# Altium PCB bg_pcb.PcbDoc (part 2 of 2) (continued)
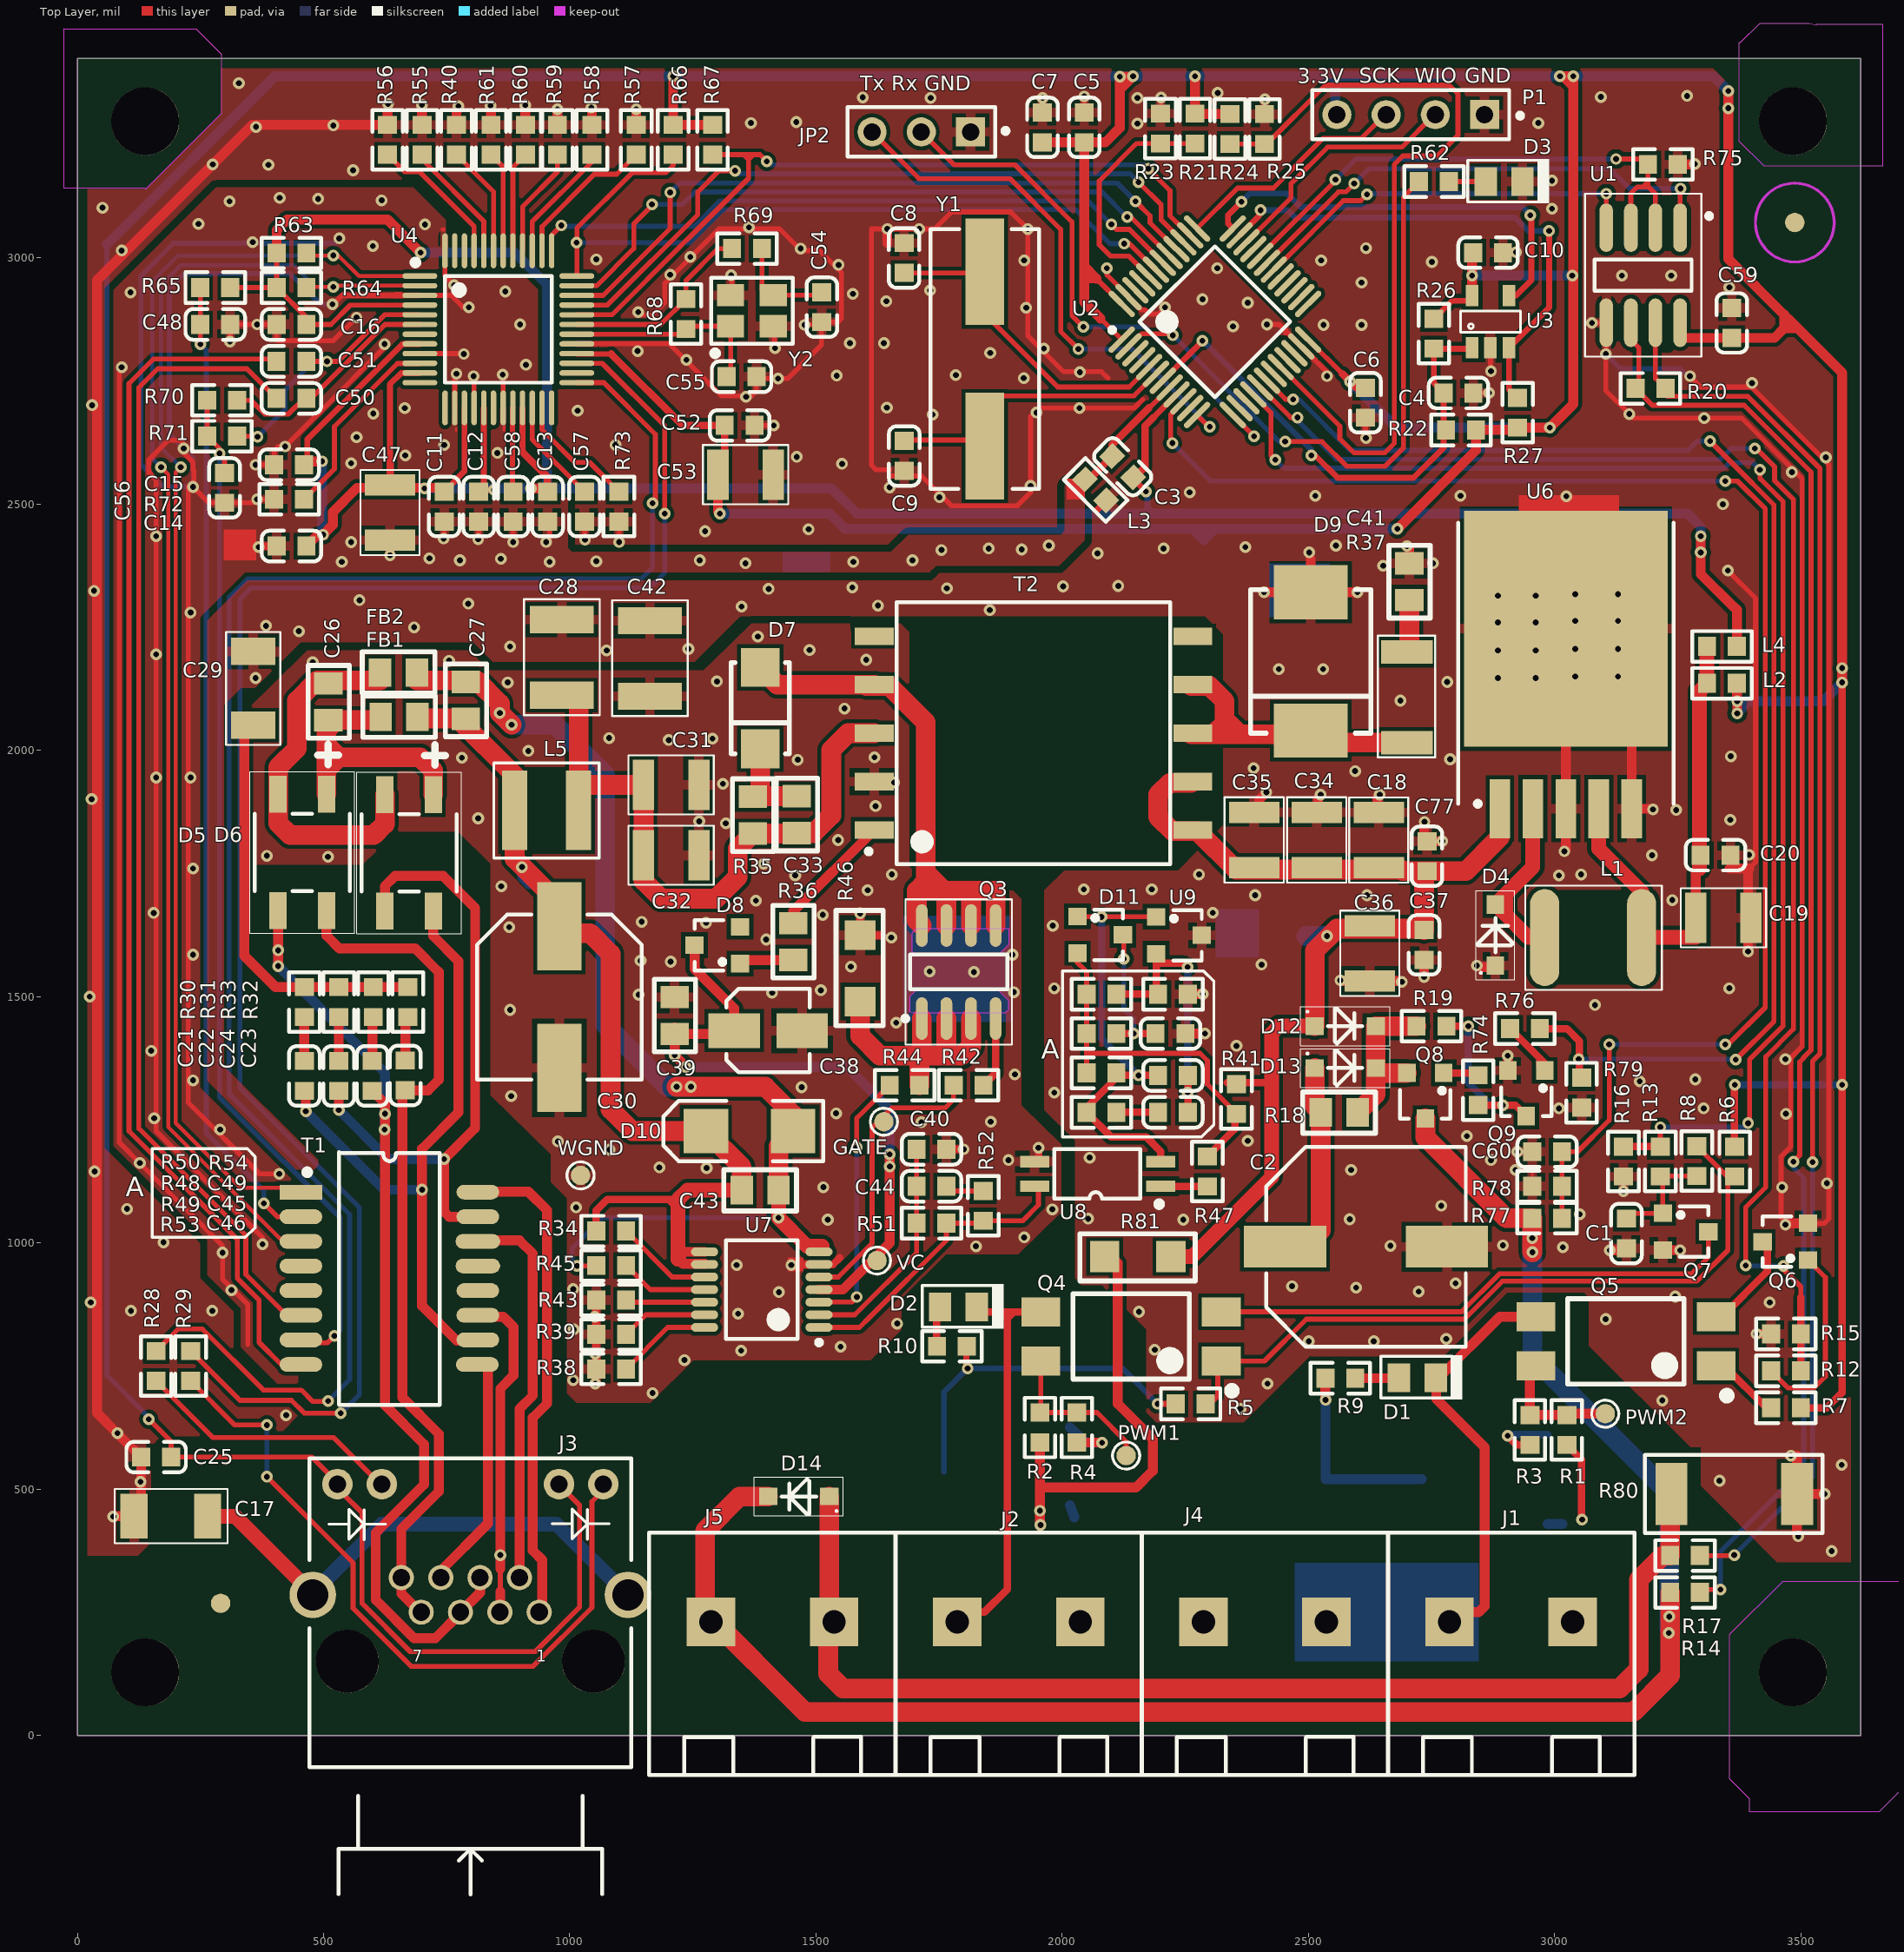
[diagram p0: Top Layer view]
## Nets (pads, with @x,y where several pads share a name; then routed paths per layer and width w, separated by ;. In a path a pad name is that pad's centre, name@x,y a point inside that pad or via, vN(x,y) a via of type N, cw(c..) or ccw(c..) an arc to the next point about the centre after c; other vN are vias at no path point) (continued)
  Bottom Layer w10: v2(2555,3159) 2597,3201 v2(3125,3201)
NetR76_1: R76.1 R79.2 U2.18 | length 2798.7
  Top Layer w10: U2.18@2416.07,2750.68 2453.75,2713 v2(2469,2713) ; v2(3316,2628) 3360,2584 3445.8,2498.2 3445.8,1449.8 ; v2(3368,1372) 3445.8,1449.8 ; 3445.8,1453 3445.8,1449.8
  Top Layer w15: R76.1@2970.31,1435 3025,1435 3050,1410 v2@3050,1373 ; v2(3049,1373) v2@3050,1373 ; R79.2@3055,1335.32 3050,1340.32 v2@3050,1373
  Bottom Layer w10: v2(2469,2713) 2481,2713 2584.81,2609.19 3271,2609.19 3289.81,2628 v2(3316,2628) ; v2(3049,1373) 3367,1373 v2(3368,1372)
NetU1_1: U1.1 U2.31 | length 988.4
  Top Layer w10: U2.31@2434.93,3010.07 2437.14,3010.07 2561.26,3134.19 2576.19,3134.19 v2(2593,3151) ; U1.1@3255,3061.46 3255,3132 3256,3133 v2(3256,3141)
  Bottom Layer w10: v2(2593,3151) 2623,3181 3112.74,3181 3152.74,3141 v2(3256,3141)
NetU1_4: U1.4 U2.30 | length 788.4
  Top Layer w10: U2.30@2443.35,2990.65 2445.56,2990.65 2571.1,3116.19 2606.19,3116.19 v2(2619,3129) ; U1.4@3105,3061.46 v2(3105,3130.35)
  Bottom Layer w10: v2(2619,3129) 2620.35,3130.35 v2(3105,3130.35)
RST: C4.2 R22.1 R26.1 U2.7 U3.1 | length 1046.7
  Top Layer w12: U2.7@2204.49,2750.68 2285,2831.19 v2(2285,2832) ; v2(2506,2599) 2514,2599 2559.5,2553.5 2713.5,2553.5 2774.69,2614.69 R22.1@2774.69,2655.75 ; R22.1@2779.69,2650.75 R22.1@2774.69,2655.75 ; U3.1@2832.6,2817.6 2830.75,2815.75 R26.1@2755,2815.75 2755,2745.44 C4.2@2774.69,2725.75 R22.1@2774.69,2655.75
  Bottom Layer w12: v2(2285,2832) 2506,2611 v2(2506,2599)
RSTN: U2.42 U4.37 | length 1355.6
  Top Layer w10: U4.37@963.27,3014.45 963.27,3046.27 v2(983,3066) ; v2(2100,3068) 2110,3058 2136.59,3058 U2.42@2204.49,2990.1
  Bottom Layer w10: v2(983,3066) 984.81,3064.19 1253.19,3064.19 1305,3116 2052,3116 v2(2100,3068)
RX_N: C51.2 T1.8 | length 2498.8
  Top Layer w10: C51.2@404.37,2790 395,2790 390,2795 155,2795 105,2745 105,1227 325,1007 325,928 369,884 369,798 413,754 T1.8@471.09,754
RX_P: C50.2 T1.6 | length 2373.1
  Top Layer w10: C50.2@404.37,2715 344.37,2775 163.28,2775 125,2736.72 125,1232 342,1015 342,936 425,853 T1.6@470.09,853
SCLK_A0: U2.39 U4.33 | length 1485.1
  Top Layer w10: U4.33@1014.45,2904.21 1076.21,2904.21 1260.13,3088.13 1260.13,3134.13 1303,3177 v2(1336,3177) ; v2(2155,3154) 2201.19,3107.81 2201.19,3076.92 ; U2.39@2226.05,3052.05 2201.19,3076.92 ; U2.39@2246.25,3031.86 2201.19,3076.92
  Bottom Layer w10: v2(1336,3177) 1342,3171 2138,3171 v2(2155,3154)
SCSN_A0: R67.1 U2.38 U4.32 | length 1607.9
  Top Layer w10: U4.32@1014.45,2884.53 1085.75,2884.53 1227,3025.78 1227,3026.36 1241.64,3041 1242.22,3041 1363,3161.78 1363,3200 ; R67.1@1290,3209.69 1353.31,3209.69 ; v2(1400,3196) 1386.31,3209.69 1372.69,3209.69 ; v2(2175,3181) 2219.19,3136.81 2219.19,3085.65 2259.07,3045.77 U2.38@2260.17,3045.77 ; 2232.36,3071.64 2233.2,3071.64 ; 1353.31,3209.69 1363,3200 ; 1353.31,3209.69 1363,3209.69 ; 1363,3200 1372.69,3209.69 ; 1363,3200 1363,3209.69 ; 1363,3209.69 1372.69,3209.69
  Bottom Layer w10: v2(1400,3196) 1407,3189 2167,3189 v2(2175,3181)
SIMO_A0: U2.41 U4.35 | length 1359.1
  Top Layer w10: U4.35@1014.45,2943.58 1054.58,2943.58 1130,3019 1130,3069 v2@1163,3102 ; v2(2132,3083) 2139.43,3083 U2.41@2218.41,3004.02
  Bottom Layer w10: v2(1167,3109) 1229,3109 1254,3134 2081,3134 v2(2132,3083)
SOMI_A0: U2.40 U4.34 | length 1418.9
  Top Layer w10: U4.34@1014.45,2923.9 1067.9,2923.9 1204,3060 v2(1204,3133) ; v2(2149,3115) 2178.5,3085.5 2178.5,3071.5 2232.06,3017.94 U2.40@2232.33,3017.94
  Bottom Layer w10: v2(1204,3133) 1223,3152 2112,3152 v2(2149,3115)
SWCLK: P1.3 U2.37 | length 476.3
  Top Layer w10: U2.37@2274.09,3059.69 2356.39,3142 2429,3142 2530,3243 2608,3243 P1.3@2655,3290
SWIO: P1.2 U2.34 | length 504.3
  Top Layer w10: U2.34@2374.31,3031.86 2465,3122.55 2465,3151 2539,3225 2690,3225 P1.2@2755,3290
TOCAP: C58.1 U4.20 | length 171.1
  Top Layer w10: U4.20@884.53,2695.55 883.71,2694.74 883.71,2526.6 C58.1@885,2525.31
TX_N: R63.1 T1.3 U4.1 | length 2780.6
  Top Layer w8: v1(170,2575) 185,2560 185,1235 412,1008 T1.3@469.05,1008 ; R63.1@465.31,3010 470.31,3005 v2(520,3005) 530,3005 571.73,2963.27 U4.1@695.55,2963.27
  Bottom Layer w8: 152,2625 152,2593 ; v1(170,2575) 152,2593 ; v2(520,3005) 204.54,3005 152,2952.46 152,2593
TX_P: R64.1 T1.1 U4.2 | length 2682.7
  Top Layer w8: v1(210,2575) 200,2565 200,1243 331,1112 463.09,1112 T1.1@471.09,1104 ; R64.1@465.31,2940 466.72,2941.41 v2(520,2941.41) 522.17,2943.58 U4.2@695.55,2943.58
  Bottom Layer w8: 170,2630 170,2615 ; v1(210,2575) 170,2615 ; v2(520,2941.41) 482.8,2941.41 439.21,2985 210,2985 170,2945 170,2615
UART_RXD: JP2.2 U2.13 | length 1104.7
  Top Layer w10: JP2.2@1714,3256 1781,3189 1904,3189 2020,3073 2020,2883 v2(2043,2860) ; U2.13@2346.47,2681.09 2389.55,2638 v2(2390,2638)
  Bottom Layer w10: v2(2043,2860) 2168,2860 v2(2390,2638)
UART_TXD: JP2.3 U2.12 | length 1091.3
  Top Layer w10: JP2.3@1614,3256 1709,3161 1894,3161 1997,3058 1997,2851 v2(2033,2815) ; U2.12@2274.09,2681.09 2298.17,2657 v2(2300,2657)
  Bottom Layer w10: v2(2033,2815) 2142,2815 v2(2300,2657)
VCC12V: 12V.1 C18.1 C34.2 C35.2 C36.2 C37.2 C77.1 D12.1 R41.1 R81.1 T2.9 T2.10 U6.1 | length 2248.7
  Top Layer w15: R41.1@2335,1325.31 2422.81,1325.31
  Top Layer w30: R81.1@2221,972 2264,972 2425.5,1133.5 2425.5,1425.5 2440,1440 D12.1@2512.99,1440
  Top Layer w40: T2.9@2261.69,1934.21 2219.21,1934.21 2195,1910 2195,1865 2224.21,1835.79 2275.21,1835.79 2353,1758 2688.22,1758 2691.54,1754.69 C77.1@2735,1754.69 ; D12.1@2512.99,1440 2512.99,1592.99 2558.15,1638.15 2732.17,1638.15 C37.2@2735,1635.32 C77.1@2735,1754.69 ; U6.1@2889.06,1881.57 2889.06,1824.06 2819.69,1754.69 C77.1@2735,1754.69
  Bottom Layer w40: 12V.1@2496,1623 v1(2538,1623)
VCC12V_LED_1: J1.2 Q1.3 R1.2 | length 195.1
  Top Layer w15: R1.2@3025,589.68 3055.12,559.57 3055.12,438.88 v2(3056,438)
  Bottom Layer w20: Q1.3@2985.91,429.45 Q1.3@3016.45,429.45
VCC12V_LED_2: J2.2 Q2.3 R2.2 R81.2 | length 920.9
  Top Layer w20: R2.2@1955,594.68 1955,503 ; v1(1956,427) 1955,428 v2(1955,456) 1955,503 ; R81.2@2086.35,972 2100,972 2113,959 2113,673 2184,602 2184,537 2150,503 1955,503
  Bottom Layer w20: Q2.3@2015.91,467.09 Q2.3@2024.91,442.45
VDD: C27.2 C30.1 C43.2 D10.2 FB1.2 L5.1 R34.2 U7.8 U7.9 VDD.1 | length 2048
  Top Layer w15: R34.2@1053.94,1023.9 1053.94,1065.94 1076,1088 1201,1088 ; 1220,1069 1201,1088 ; 1220,1088 1201,1088
  Top Layer w20: 1220,967 1229.55,957.45 U7.9@1273.86,957.45 ; 1221.3,981.77 U7.8@1273.86,981.77
  Top Layer w30: 1220,967 1220,1069 1220,1088 1239,1107 C43.2@1349.2,1107 ; 1221.3,968.3 1221.3,981.77
  Top Layer w40: FB1.2@703.8,2065 772.2,2065 888.09,1949.1 L5.1@888.09,1878 888.09,1779.91 979,1689 C30.1@979,1642.7 992.7,1629 1041,1629 1083,1587 1083,1271 1127,1227 D10.2@1276.42,1227 1349.2,1154.22 C43.2@1349.2,1107
  Bottom Layer w20: v1(903,1763) 903,1742 VDD.1@917,1728
VSS: C27.1 C43.1 D10.1 FB2.2 R45.1 U7.7 VSS.1 | length 2358.8
  Top Layer w10: v2(1015,953) 1053.04,953 R45.1@1053.94,953.9
  Top Layer w30: C43.1@1424,1107 v1(1424,1051) 1482,993 1513,993
  Top Layer w40: FB2.2@689.8,2142 811,2142 858,2095 v1(858,2076) v1(882,2052) ; v2(1217,1317) v1(1246,1317) 1397,1317 1453.58,1260.42 D10.1@1453.58,1227 1453.58,1225.58 1424,1196 C43.1@1424,1107
  Bottom Layer w10: v2(1015,953) 1005,963 1005,989 1067,1051 v1(1424,1051)
  Bottom Layer w40: v1(858,2076) v1(882,2052) 970,2052 1072,1950 1072,1443 1198,1317 v2(1217,1317) v1(1246,1317)
WD_EN: R27.2 U2.35 U3.3 | length 1054.1
  Top Layer w12: U2.35@2360.39,3045.77 2400,3085.39 2400,3097 v2(2403,3097) ; R27.2@2925,2716.07 2907.4,2733.66 U3.3@2907.4,2817.6 2989,2899.2 v2(2989,3055)
  Bottom Layer w12: v2(2403,3097) 2458,3097 2473,3082 2919.5,3082 2946.5,3055 v2(2989,3055)
WDI: U2.36 U3.4 | length 873.2
  Top Layer w12: U2.36@2346.31,3059.85 U2.36@2346.47,3060.01 ; U2.36@2346.47,3059.69 U2.36@2346.47,3060.01 ; v2(2364,3114) 2337,3087 2337,3069.47 U2.36@2346.47,3060.01 ; U3.4@2907.4,2923.9 2921.9,2923.9 2953,2955 2953,3085 v2(2951,3087)
  Bottom Layer w12: v2(2364,3114) 2381,3131 2456.55,3131 2484.55,3103 2935,3103 v2(2951,3087)
WGND: C30.2 C31.1 C32.1 C38.2 C39.1 C40.1 C42.1 R38.2 R39.1 R43.1 R46.2 T2.2 U7.6 U8.3 WGND.1 | length 491.6
  Top Layer w15: v2(1052,714) 1053.94,715.94 R38.2@1053.94,743.9 v2@1053.94,773.06 ; v2(1052,775) v2@1053.94,773.06 ; R43.1@1053.94,883.9 1053.94,852.94 v2(1051,850) 1053.94,847.06 R39.1@1053.94,813.9 v2@1053.94,773.06 ; v2(1450,955) 1451.18,956.18 U7.6@1506.14,956.18 1534.68,956.18 1548.6,970.1 ; v2(1590,1669) R46.2@1590,1624.65 1633.65,1624.65 ; C40.1@1765,1190 v2(1800,1190) ; U8.3@1951.97,1165 v2(1951.97,1193.03)
  Top Layer w20: T2.2@1602.24,1934.21 1658.21,1934.21 v2(1659,1935)
  Bottom Layer w15: v2@1950,1195 v2(1951.97,1193.03)
  other v1: 1168,695 1007,721 1233,762 1348,781 1550,789 1008,824 1665,836 1342,856 1425,900 1007,906 1339,955 1825,993 1923,1011 1524,1047 1980,1068 1013,1072 1515,1113 1278,1152 1182,1153 1081,1189 976,1206 1714,1245 1855,1246 1541,1263 881,1298 1471,1316 1904,1342 1663,1447 879,1473 1140,1504 1411,1508 1902,1509 1510,1513 1821,1550 1731,1551 1571,1561 1205,1571 1144,1573 1899,1585 1399,1616 1653,1620 877,1641 1277,1650 1146,1652 1514,1666 1378,1695 1605,1716 861,1724 1458,1746 1654,1748 1394,1770 509,1784 385,1786 1545,1818 1317,1852 1263,1856 814,1862 1621,1887 1311,1932 1463,1981 781,1985 1619,1986 916,1999 1201,2021 1290,2024 1080,2025 1558,2085 874,2138 1299,2140 478,2179 755,2182 1602,2184 1487,2204 1382,2231
  other v2: 1891,1168
XTAL1: C8.1 U2.5 Y1.1 | length 649.5
  Top Layer w10: C8.1@1679,2969.69 1817.52,2969.69 1820,2972.17 1820,2909 1991,2738 2136.13,2738 U2.5@2176.65,2778.52
XTAL2: C9.1 U2.6 Y1.2 | length 618.9
  Top Layer w10: C9.1@1679.29,2630.31 1807.52,2630.31 1820,2617.83 1820,2689 1851,2720 2145.97,2720 U2.6@2190.57,2764.6
pads on no net: D8.2 J3.15 J3.16 T1.4 T1.5 T1.12 T1.13 T2.5 T2.6 U2.3 U2.4 U2.11 U2.14 U2.15 U2.19 U2.21 U2.22 U2.25 U2.26 U2.27 U2.28 U2.29 U2.33 U2.45 U2.46 U4.7 U4.12 U4.13 U4.18 U4.24 U4.26 U4.46 U4.47
copper on no net: | length 11.9
  Top Layer w6: 2484.72,2820.28 2485.66,2820.28 ; 2912,2836 2922,2836
  Top Layer w10: 2484.72,2820.28 2485.66,2820.28

## Polygon pours and split planes (outlines as drawn)
NetD14_2 on Bottom Layer "Bottom Layer-No Net" (solid, pour order 63): 1410,294.13 1410,399.87 1410,406.13 1429,425.64 1429.1,425.53 1638,425.53 1638,634.95 1637,635.97 1636,637 1532,637 1247,637 1229,618.52 1223,612.36 1223,474.81 1223,184.29 1234,173 1393,173 1396,173 1406,183.27 1410,187.37 1410,290.03
LEDGND_2 on Bottom Layer "Bottom Layer-No Net" (solid, pour order 62): 1632.61,349.75 1828.61,349.75 1836.61,349.75 1837.61,349.75 1842.61,344.75 1845.61,341.75 1845.61,155.75 1845.61,152.75 1842.61,149.75 1719.61,149.75 1492.61,149.75 1487.61,154.75 1487.61,344.75 1492.61,349.75
VCC12V_LED_2 on Bottom Layer "Bottom Layer-No Net" (solid, pour order 61): 1934,374.73 1934,213.72 1934,184.73 1934,179.37 1938.9,174 2109.42,174 2125.1,174 2130,179.37 2130,263.09 2130,475.63 2128.04,477.78 2125.1,481 1985.94,481 1939.88,481 1934,474.56 1934,465.97
VCC12V_LED_1 on Bottom Layer "Bottom Layer-No Net" (solid, pour order 60): 2925,306.72 2925,179.61 2931,173.09 2932,172 3089,172 3120,172 3125,177.43 3125,227.41 3125,454.48 3120,459.91 3119,461 2956,461 2928,461 2925,457.74 2925,308.89
NetJ4_1 on Bottom Layer "Bottom Layer-No Net" (solid, pour order 59): 2602,406.79 2422,406.79 2399,406.79 2375,381.21 2375,201.05 2375,169.07 2374,168 2283,168 2177,168 2175,170.13 2175,233.03 2175,615.74 2179,620 2181,620 2602,620 2602,406.79
WGND on Bottom Layer "Top Layer-WGND" (solid, remove dead copper, pour order 58): 1298.25,762 1346.05,762 1611.05,762 1673.4,823.3 1673.4,886.85 1673.4,887.03 1764.53,976.64 1910.96,976.64 1910.96,976.81 1998,1062.39 1998,1199.59 1998,1199.75 1919.4,1277.02 1917.1,1279.28 1917.1,1697.95 1917.1,1698.04 1871.03,1743.35 1710.3,1743.35 1690.8,1762.52 1689.78,1763.52 1689.78,2239.69 1688.83,2239.69 1688.83,2240.98 1673.55,2256 1671.52,2258 1576.93,2258 1369.44,2258 1290.11,2180 1271.8,2162 1217.9,2162 837.51,2162 824.29,2175 795.81,2203 522.21,2203 467.29,2203 393.04,2130 336.09,2074 331,2069 331,1785 331,1782 345.24,1768 523.23,1768 579.17,1768 640.19,1828 647.31,1835 711.39,1835 773.43,1835 838.52,1771 839.54,1770 839.54,1511 839.54,1301.16 838.84,1300.47 961.41,1179.96 961.41,1179.72 961.41,726.65 1013.95,675 1163.45,675 1163.45,675.18 1251.51,761.76 1251.76,762 1298.25,762
DGND on Bottom Layer "Top Layer-DGND" (solid, remove dead copper, pour order 65): 3601.4,352 3601.4,3186 3426,3186 3375,3237 3375,3332 3328,3379 3322.13,3384.87 292,3384.87 292,3295 138,3141 137,3140 20.65,3140 20.65,365 123,365 149,391 149,586 167,604 170,607 406,607 459.66,660.66 461,662 461,689.91 455.2,695.71 440.49,695.71 402.66,695.71 322.25,776.12 316.71,781.66 316.71,789.51 316.71,860.67 254.25,923.12 248.71,928.67 248.71,936.51 248.71,999.29 87,1161 83,1165 56,1192 55,1193 55,1206 55,2939 91,2975 273.42,3157.42 684.87,3157.42 687.83,3157.42 771.53,3073.72 774.29,3070.96 774.29,3031 774.29,3029.35 775.65,3028 829,3028 894.05,3028 971.19,2950.86 973,2949.05 973,2900 973,2551 972.35,2550.35 1011.29,2511.41 1011.29,2418.09 1647.7,2418.09 1679.48,2449.88 1681.6,2452 1996,2452 2031,2452 2044,2465 2064,2485 2115,2485 2143,2485 2147,2481 2154,2474 2154,2428 2154,2418 2097,2361 2095.71,2359.71 1750.33,2359.71 1749.92,2359.71 1738.56,2348.35 1734.92,2344.71 1727.49,2344.71 335.71,2344.71 282,2291 275,2284 262,2271 259,2268 259,1738 259,1334 391,1202 444,1149 481,1149 489,1157 489,1167 489,1168 466,1191 298,1359 298,2044 298,2092 319,2113 333,2127 360,2127 361,2127 433,2199 454,2220 512,2220 804,2220 841,2183 844,2180 1063,2180 1254,2180 1342,2268 1347,2273 1503,2273 2290,2273 2327,2236 2327,1848 2235,1756 2004,1756 1964,1716 1964,1270 2026,1208 2026,928 2040,914 2081,914 2171,824 2171,658.72 2171,656 2191.71,635.29 2368.29,635.29 2504,771 2505,770 2513,770 2774.76,770 2903.76,899 3060,899 3070,889 3070,791 3276,585 3297,585 3297,507 3452,352 3601.4,352
AGND on Bottom Layer "Top Layer-AGND" (solid, remove dead copper, pour order 56): 409,711 442,711 448,717 448,1118 446.8,1118 279.87,1284.93 249,1315.8 249,1553 249,2270.2 308.79,2329.99 340.93,2362.13 1731.13,2362.13 1739.52,2370.52 1744,2375 1993,2375 1994,2375 2001,2382 2045.86,2426.86 2045.86,2512.53 2045.86,2530.86 2048,2533 2026,2555 2025,2555 2021,2555 2008,2542 2005,2539 2005,2485 2005,2446 1997,2438 1688,2438 1652.8,2402.8 1652.6,2403 1004,2403 996,2411 996,2513.65 974.2,2513.65 935.65,2552.2 935,2552.85 935,2644 935,2936 908,2963 786,2963 783.8,2963 754,2992.8 748,2998.8 748,3074 748,3077 683.11,3141.89 682.13,3142.87 281.83,3142.87 280.87,3142.87 73.25,2935.25 73.25,1196.75 264,1006 264,935 332,867 332,788 409,711
DGND on Bottom Layer "Bottom Layer-No Net" (solid, remove dead copper, pour order 66): 2111.52,2489.62 2095.14,2506 2082,2506 2067.91,2520.09 2061.93,2520.09 2059.08,2520.09 2056.51,2517.51 2057,2517.02 2057,2434 2057,2417 1992,2352 1991,2351 1991,2311 2155.59,2311 2156,2310.59 2198,2352.59 2198,2424 2198,2445 2162,2481 2137.2,2505.8 2127.7,2505.8 2111.52,2489.62
VCC12V_LED_1 on Bottom Solder "Bottom Layer-VCC12V_LED_1" (solid, pour order 49): 2920,304.32 2920,171.92 2926.3,165.13 2927.35,164 3092.2,164 3124.75,164 3130,169.66 3130,221.71 3130,458.21 3124.75,463.87 3123.7,465 2952.55,465 2923.15,465 2920,461.61 2920,306.58
NetJ4_1 on Bottom Solder "Bottom Layer-NetJ4_1" (solid, pour order 47): 2620,404.72 2431.99,404.72 2407.97,404.72 2382.9,378.28 2382.9,192.14 2382.9,159.1 2381.85,158 2286.81,158 2176.09,158 2174,160.2 2174,225.19 2174,620.59 2178.18,625 2180.27,625 2620,625 2620,404.72
VCC12V_LED_2 on Bottom Solder "Bottom Layer-VCC12V_LED_2" (solid, pour order 51): 1930,374.92 1930,208.14 1930,178.12 1930,172.56 1935.12,167 2113.48,167 2129.88,167 2135,172.56 2135,259.29 2135,479.44 2132.95,481.66 2129.88,485 1984.32,485 1936.15,485 1930,478.33 1930,469.43
LEDGND_2 on Bottom Solder "Bottom Layer-LEDGND_21" (solid, pour order 55): 1625.02,355 1826.5,355 1834.72,355 1835.75,355 1840.89,349.75 1843.97,346.6 1843.97,151.3 1843.97,148.15 1840.89,145 1714.45,145 1481.11,145 1475.97,150.25 1475.97,349.75 1481.11,355
NetD14_2 on Bottom Solder "Bottom Layer-NetD14_21" (solid, pour order 57): 1417.67,289.31 1417.67,398.69 1417.67,405.17 1438.37,425.35 1438.48,425.24 1666,425.24 1666,641.88 1664.91,642.94 1663.82,644 1550.55,644 1240.14,644 1220.53,624.88 1214,618.51 1214,476.21 1214,175.68 1225.98,164 1399.16,164 1402.42,164 1413.32,174.62 1417.67,178.87 1417.67,285.06
WGND on Top Layer "Bottom Layer-No Net" (solid, remove dead copper, pour order 57): 1298.25,762 1346.05,762 1611.05,762 1673.4,823.3 1673.4,886.85 1673.4,887.03 1764.53,976.64 1910.96,976.64 1910.96,976.81 1998,1062.39 1998,1199.59 1998,1199.75 1919.4,1277.02 1917.1,1279.28 1917.1,1697.95 1917.1,1698.04 1871.03,1743.35 1710.3,1743.35 1690.8,1762.52 1689.78,1763.52 1689.78,2239.69 1688.83,2239.69 1688.83,2240.98 1673.55,2256 1671.52,2258 1576.93,2258 1369.44,2258 1290.11,2180 1271.8,2162 1217.9,2162 837.51,2162 824.29,2175 795.81,2203 522.21,2203 467.29,2203 393.04,2130 336.09,2074 331,2069 331,1785 331,1782 345.24,1768 523.23,1768 579.17,1768 640.19,1828 647.31,1835 711.39,1835 773.43,1835 838.52,1771 839.54,1770 839.54,1511 839.54,1301.16 838.84,1300.47 961.41,1179.96 961.41,1179.72 961.41,726.65 1013.95,675 1163.45,675 1163.45,675.18 1251.51,761.76 1251.76,762 1298.25,762
AGND on Top Layer "Bottom Layer-No Net" (solid, remove dead copper, pour order 55): 409,711 442,711 448,717 448,1118 446.8,1118 279.87,1284.93 249,1315.8 249,1553 249,2270.2 308.79,2329.99 340.93,2362.13 1731.13,2362.13 1739.52,2370.52 1744,2375 1993,2375 1994,2375 2001,2382 2045.86,2426.86 2045.86,2512.53 2045.86,2530.86 2048,2533 2026,2555 2025,2555 2021,2555 2008,2542 2005,2539 2005,2485 2005,2446 1997,2438 1688,2438 1652.8,2402.8 1652.6,2403 1004,2403 996,2411 996,2513.65 974.2,2513.65 935.65,2552.2 935,2552.85 935,2644 935,2936 908,2963 786,2963 783.8,2963 754,2992.8 748,2998.8 748,3074 748,3077 683.11,3141.89 682.13,3142.87 281.83,3142.87 280.87,3142.87 73.25,2935.25 73.25,1196.75 264,1006 264,935 332,867 332,788 409,711
DGND on Top Layer "Bottom Layer-DGND" (solid, remove dead copper, pour order 64): 3601.4,352 3601.4,3186 3426,3186 3375,3237 3375,3332 3328,3379 3322.13,3384.87 292,3384.87 292,3295 138,3141 137,3140 20.65,3140 20.65,365 123,365 149,391 149,586 167,604 170,607 406,607 459.66,660.66 461,662 461,689.91 455.2,695.71 440.49,695.71 402.66,695.71 322.25,776.12 316.71,781.66 316.71,789.51 316.71,860.67 254.25,923.12 248.71,928.67 248.71,936.51 248.71,999.29 87,1161 83,1165 56,1192 55,1193 55,1206 55,2939 91,2975 273.42,3157.42 684.87,3157.42 687.83,3157.42 771.53,3073.72 774.29,3070.96 774.29,3031 774.29,3029.35 775.65,3028 829,3028 894.05,3028 971.19,2950.86 973,2949.05 973,2900 973,2551 972.35,2550.35 1011.29,2511.41 1011.29,2418.09 1647.7,2418.09 1679.48,2449.88 1681.6,2452 1996,2452 2031,2452 2044,2465 2064,2485 2115,2485 2143,2485 2147,2481 2154,2474 2154,2428 2154,2418 2097,2361 2095.71,2359.71 1750.33,2359.71 1749.92,2359.71 1738.56,2348.35 1734.92,2344.71 1727.49,2344.71 335.71,2344.71 282,2291 275,2284 262,2271 259,2268 259,1738 259,1334 391,1202 444,1149 481,1149 489,1157 489,1167 489,1168 466,1191 298,1359 298,2044 298,2092 319,2113 333,2127 360,2127 361,2127 433,2199 454,2220 512,2220 804,2220 841,2183 844,2180 1063,2180 1254,2180 1342,2268 1347,2273 1503,2273 2290,2273 2327,2236 2327,1848 2235,1756 2004,1756 1964,1716 1964,1270 2026,1208 2026,928 2040,914 2081,914 2171,824 2171,658.72 2171,656 2191.71,635.29 2368.29,635.29 2504,771 2505,770 2513,770 2774.76,770 2903.76,899 3060,899 3070,889 3070,791 3276,585 3297,585 3297,507 3452,352 3601.4,352
DGND on Top Layer "Top Layer-DGND1" (solid, remove dead copper, pour order 67): 2111.52,2489.62 2095.14,2506 2082,2506 2067.91,2520.09 2061.93,2520.09 2059.08,2520.09 2056.51,2517.51 2057,2517.02 2057,2434 2057,2417 1992,2352 1991,2351 1991,2311 2155.59,2311 2156,2310.59 2198,2352.59 2198,2424 2198,2445 2162,2481 2137.2,2505.8 2127.7,2505.8 2111.52,2489.62

## Keep-outs
Keep-Out Layer:
  circle w6: c3488,3072 r80
  pour cut-out: 1694.8,1624.75 1695,1624.55 1695,1592 1700,1587 1873,1587 1892.28,1606.28 1892.28,1637.18 1703.18,1637.18 1694.8,1628.8
  pour cut-out: 1884.17,1467 1891,1473.83 1891,1492 1869,1514 1704,1514 1690,1500 1690,1479.98 1690.54,1469.63 1697,1467
  pour cut-out: 241,3465 292,3414 292,3293 139,3140 138,3141 -27,3141 -27,3464 -28,3465
  pour cut-out: 3531,3473 3533,3475 3666,3475 3666,3186 3426,3186 3375,3237 3375,3438 3378,3438 3417,3477 3518,3477
  pour cut-out: 3356,205 3464,313 3700,313 3700,-115 3659,-156 3396,-156 3396,-129 3356,-89
  lines w0.5: 0,0 3622.05,0 3622.05,3405.51 0,3405.51 0,0

## Other copper
Top Layer:
  rectangle net DGND: 2448.91,2842.89 2458.63,2857.28
  rectangle net AGND: 767,2647 771.8,2656
  rectangle net AGND: 645.1,2917.5 658.1,2931.4
  rectangle net AGND: 863,2648 870,2660
  rectangle net AGND: 747,2952 754,2961
  rectangle net DGND: 2927,2464 3131,2518
  rectangle net AGND: 297,2386 363,2449
  rectangle net VSS: 1513,982 1528,993
  rectangle net WGND: 1443,941.97 1474.77,970
  rectangle net AGND: 2009,2509.7 2045.86,2552
  region net DGND: 2089.34,2497.16 2079.89,2506.61 2061.16,2487.88 2070.6,2478.43
  rectangle net AGND: 738,3054 748,3062
  pour cut-out: 2448.91,2842.89 2455.21,2842.89 2459.9,2838.2 2459.9,2837.6 2456.9,2837.6 2456.8,2837.5 2450.7,2837.5 2448.9,2839.3 2448.91,2839.31
  pour cut-out: 2451,2842.9 2451.8,2842.1 2453.9,2842.1 2453.9,2840.7 2453,2839.8 2450.2,2839.8 2448.91,2841.09 2448.91,2842.89 2450.99,2842.89
  pour cut-out: 786,2963 754,2963 754,2959 747,2952 747,2754 754,2747 943,2747 947.58,2751.58 947.58,2766.42 957.58,2766.42 973,2751 973,2737 954,2718 750,2718 729,2739 729,2763 717,2775 717,2842 713,2846 713,2960 722,2960 741,2979 783,2979 783,2966
  pour cut-out: 928,2978 932,2974 996,2974 991,2969 991,2760 964,2760 945,2779 945,2939 925.96,2958.04 923.23,2958.04 918,2963.27 919,2964.27 919,2974 924,2974
  pour cut-out: 2171.65,2897.89 2175,2894.54 2181.31,2894.54 2310.28,3023.5 2303,3030.78 2303,3032.67 2169.69,2899.36
  pour cut-out: 2303,3017.09 2303,3033 2311,3041 2476,2876 2476,2863 2472.12,2863 2464.6,2855.48
  pour cut-out: 2448.91,2842.89 2435.89,2842.89 2305,2712 2305,2698.89 2307.78,2696.11 2442.67,2831 2447,2831 2453,2837 2453,2838.8
  pour cut-out: 2250.98,2776.99 2313,2714.97 2313,2701 2298,2701 2293,2696 2290,2696 2230,2756 2250.98,2776.98
  pour cut-out: 2227.82,2794.2 2227.8,2794.2 2185,2837 2179.97,2831.97 2179.97,2823.03 2217,2786 2223,2786 2223,2789.38
  pour cut-out: 2155.95,2885.3 2160,2881.25 2160,2875 2178,2857 2176,2855 2176,2854 2150,2854 2141,2863 2141,2874 2152.3,2885.3
  pour cut-out: 3128.52,2907.63 3128.89,2908 3250,2908 3250,2821 3236,2807 3155.98,2807 3128.52,2834.46
  pour cut-out: 3218.25,3126.7 3247.3,3126.7 3260,3114 3258,3112 3258,3014 3121,3014 3105,3030 3105,3110.16 3111.8,3110.16 3116,3114.36 3116,3124 3117,3124 3126,3115 3209,3115 3209,3117.44
  pour cut-out: 961.41,1123.58 961.42,1123.58 994,1091 994,675 955,675 954,674 940,688 940,1123 953,1123 955,1125 960,1125
  pour cut-out: 921.68,1966.71 984.43,1966.71 984.43,1789.29 921.69,1789.29 921,1789.98 921,1966.02
  pour cut-out: 3006.76,1715.66 3141.17,1715.66 3150.09,1706.75 3150.09,1524.34 3006.76,1524.34
  pour cut-out: 757,3054 749,3062 748,3062 748,3049 753,3044 757,3048
Bottom Layer:
  rectangle net WGND: 1676.76,1448 1898.27,1664.57
  rectangle net LEDGND_1: 2472.15,150 2846.15,350
  rectangle net AGND: 1432,2362 1529,2403
  rectangle net DGND: 2312,1580 2400,1678
  rectangle net DGND: 2420,2270 2544,2380
  pour cut-out: 961.41,1123.58 961.42,1123.58 994,1091 994,675 955,675 954,674 940,688 940,1123 953,1123 955,1125 960,1125
  pour cut-out: 921.68,1966.71 984.43,1966.71 984.43,1789.29 921.69,1789.29 921,1789.98 921,1966.02
  pour cut-out: 3006.76,1715.66 3141.17,1715.66 3150.09,1706.75 3150.09,1524.34 3006.76,1524.34

## Silkscreen, mask and mechanical layers (free items; w line width, h text height)
Top Overlay:
  circle w10: c2930,3289 r5
  circle w10: c1885,3258 r5
  lines w6: 152,1011 152,1191 344.96,1191 361,1174.96 361,1031 341,1011 152,1011 ; 2001,1215 2001,1552 2287,1552 2308.25,1530.75 2308.25,1240.25 2283,1215 2001,1215
  text "SCK" at 2603,3356 h30
  text "WIO" at 2716,3356 h30
  text "GND" at 2818,3356 h30
  text "3.3V" at 2478,3355 h30
  text "Tx Rx GND" at 1590,3340 h30
  text "A" at 1958,1374 h40
  text "A" at 98,1094 h40
Bottom Solder:
  rectangle: 2465.9,144 2853,354
  rectangle: 2399,402 2608,406.79
  rectangle: 1430,417 1628,425
  rectangle: 2392,415 2592,427
  rectangle: 1430,425 1628,436
Mechanical 13:
  circle w0.5: c137.8,3277.56 r68.9
  circle w0.5: c3484.25,3277.56 r68.9
  circle w0.5: c3484.25,127.95 r68.9
  circle w0.5: c137.8,127.95 r68.9
  lines w0.5: 3199.54,0 3416.59,0

## Text inside footprints (layer, text, board x,y; h text height)
J3: Top Overlay "7" at 680.08,149.69 h23.62; Top Overlay "1" at 932.05,149.69 h23.62